# KiCad board unibone.kicad_pcb (continued)
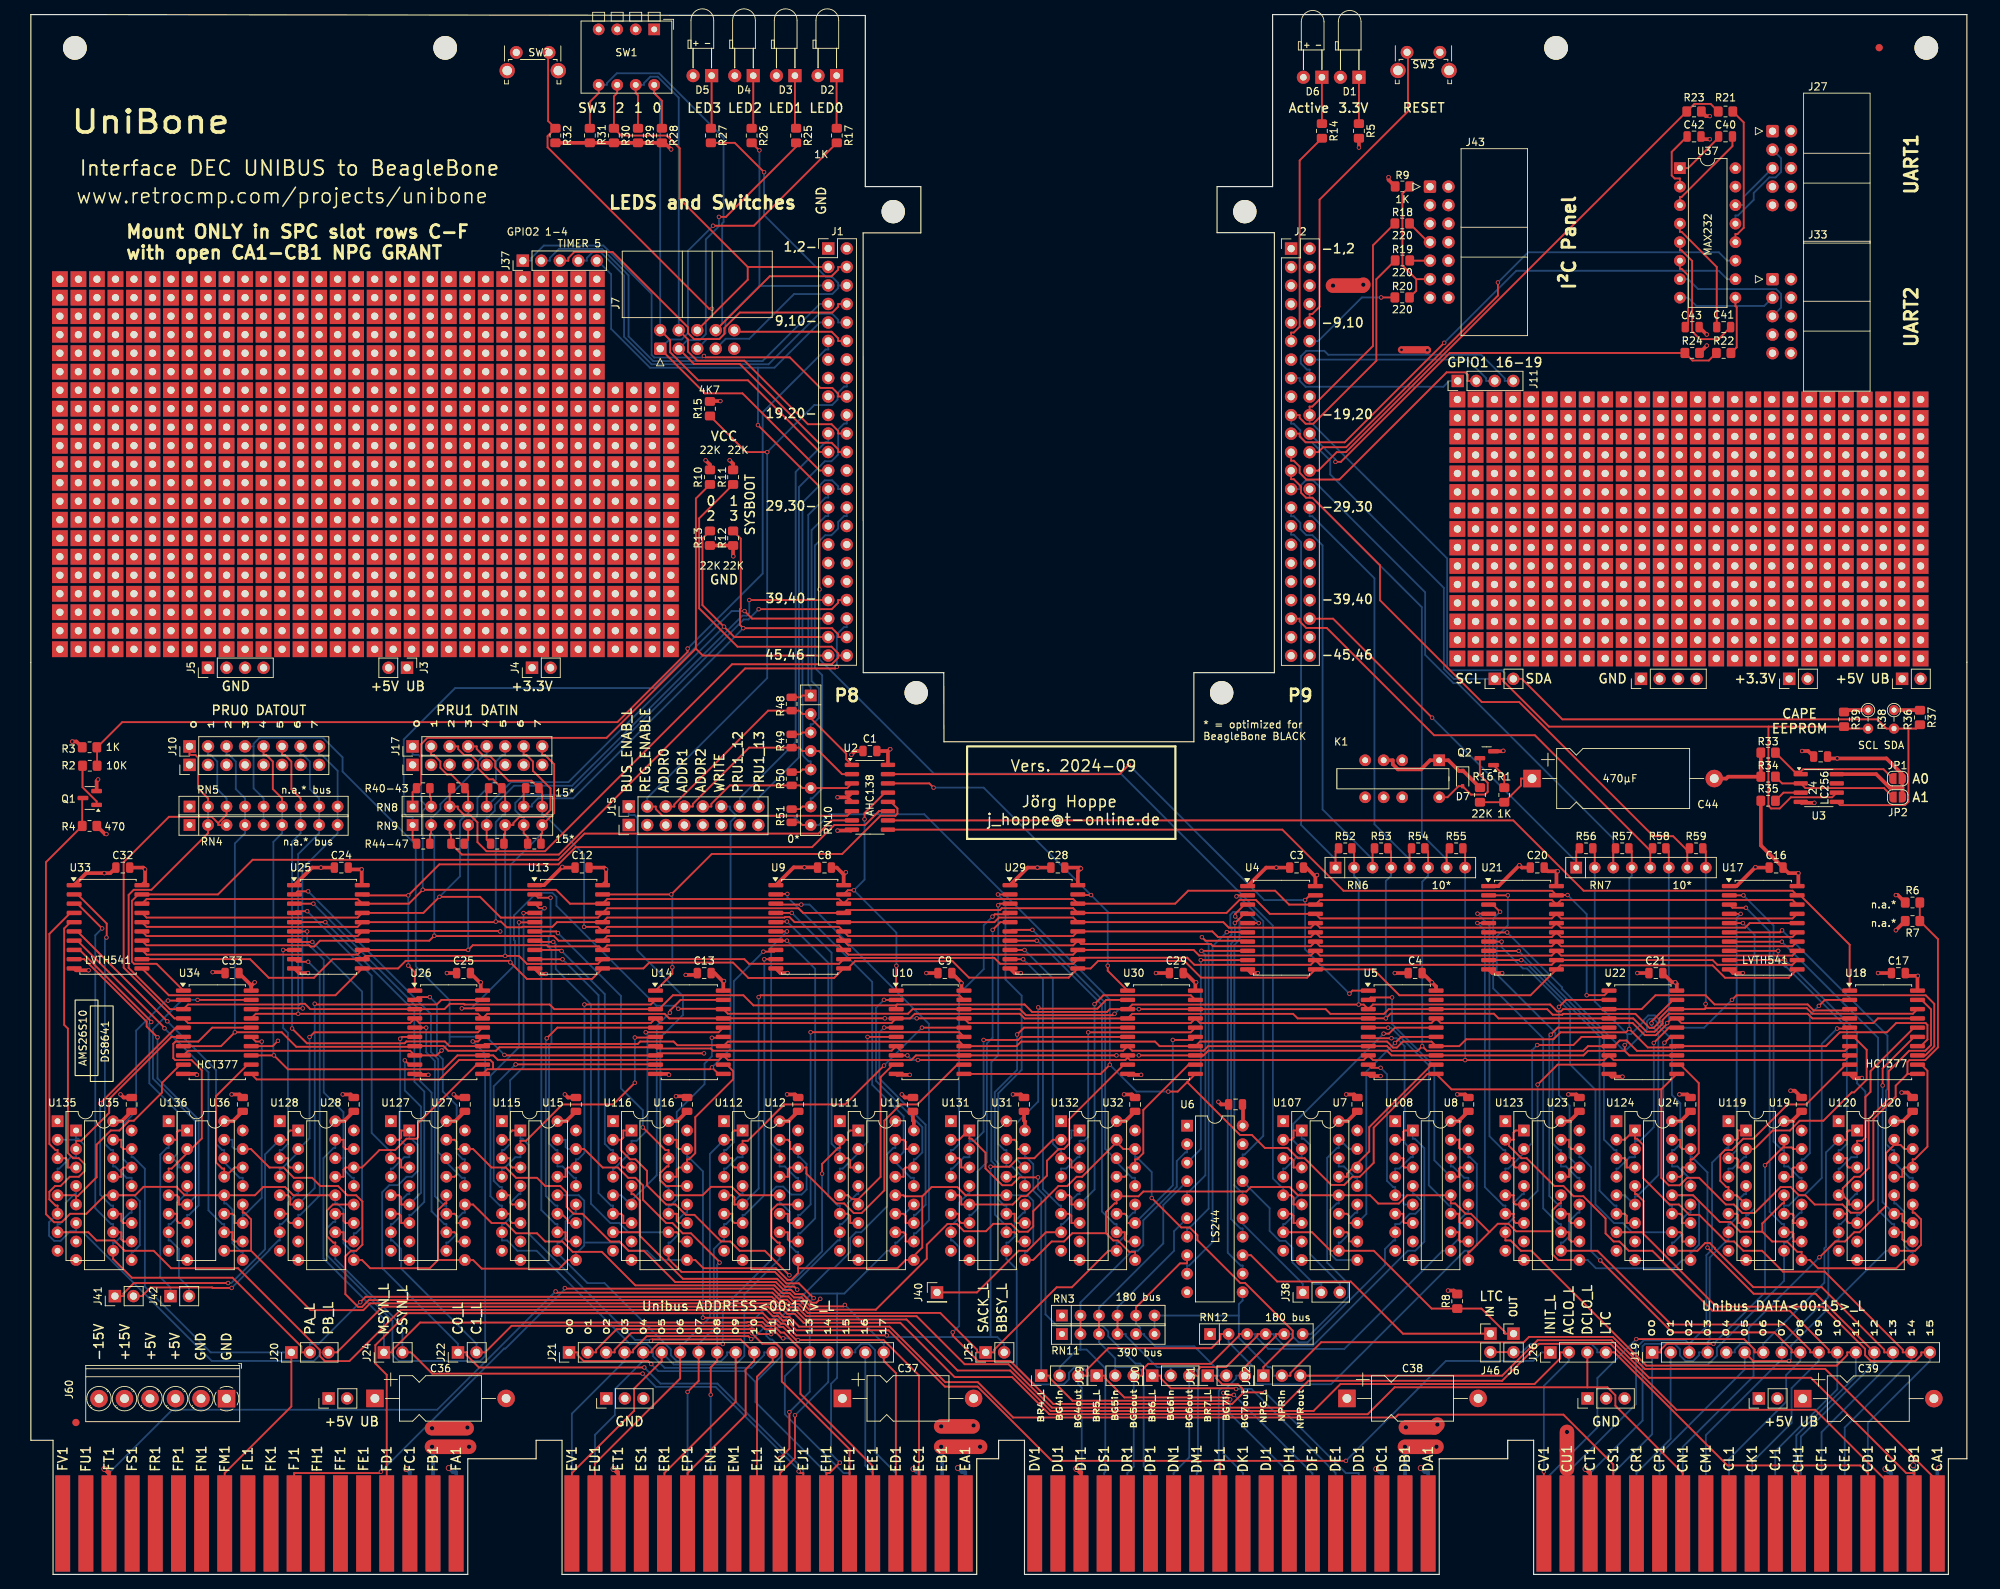
[diagram p0: board, top side]
## Routing (per net, layer and track width the routed paths; a pad name or vN(x,y) marks a point on that pad's centre or on a via; arc(x,y) is an arc through that point) (continued)
/DS8641-ARB/busdriver3/in4: length 36.5
  Top w0.25: U131.5 127.35,52.05 127.64,51.76 127.64,50.78 U31.5 134.71,50.78 135.86,51.93 136.59,51.93 139.4,54.74 139.4,56.79 141.01,58.4 141.73,58.4 142.46,59.13 142.46,62.49 149.95,69.98 U30.9
/DS8641-ARB/busdriver3/out1: length 46.6
  Top w0.25: U29.2 134.33,93.34 v1(132.68,93.34)
  Bottom w0.25: v1(132.68,93.34) 133.71,92.3 133.71,81.67 135.94,79.44 135.94,69.26 132.72,66.04 132.72,59.1 133.56,58.25 133.84,58.25 U131.14 133.84,56 134.59,56 136.15,54.44 136.38,54.44 U31.13
/DS8641-ARB/busdriver3/out2: length 51.7
  Top w0.25: U31.10 135.26,45.7 135.26,46.68 134.97,46.97 U131.10 ; v1(132.71,91.87) 132.92,92.07 U29.3
  Bottom w0.25: U131.10 133.84,48.09 133.56,48.09 132.27,49.39 132.27,55.68 132.29,55.71 132.29,56.22 131.77,56.74 131.77,70.32 132.71,71.27 v1(132.71,91.87)
/DS8641-ARB/busdriver3/out3: length 42
  Top w0.25: U131.3 127.35,57.13 127.64,56.84 127.64,55.86 U31.3 ; U29.4 134.15,90.62 132.25,90.62 v1(131.93,90.3)
  Bottom w0.25: v1(131.93,90.3) 130.73,89.1 130.73,83.1 127.35,79.71 127.35,59.1 126.5,58.25 126.22,58.25 U131.3
/DS8641-ARB/busdriver3/out4: length 48.2
  Top w0.25: v1(131.95,88.48) 133.01,89.53 U29.5 ; U31.6 127.64,48.24 127.35,48.53 127.35,49.51 U131.6
  Bottom w0.25: U31.6 128.76,49.36 129.04,49.36 129.89,50.21 129.89,55.32 131.16,56.59 131.16,72.89 131.95,73.68 v1(131.95,88.48)
/DS8641-ARB/busdriver4/bus4: length 28.1
  Top w0.25: U132.7 139.26,46.97 136.72,44.43 135.52,44.43 129.8,38.71 J40.1
  Bottom w0.25: U132.7 141.34,48.09 141.57,48.09 142.75,49.28 142.75,51.35 143.59,52.19 143.88,52.19 U32.4
/DS8641-ARB/busdriver4/in1: length 21.9
  Top w0.25: U30.12 158.83,69.98 152.62,63.76 152.62,57.83 151.78,56.98 151.5,56.98 U32.14 150.37,55.86 150.37,54.88 150.08,54.59 U132.13
/DS8641-ARB/busdriver4/in2: length 34.2
  Top w0.25: U32.11 150.37,48.24 150.37,49.22 150.08,49.51 U132.11 ; v1(156.67,73.37) 159.35,73.37 U30.15
  Bottom w0.25: v1(156.67,73.37) 156.67,53.41 U32.11
/DS8641-ARB/busdriver4/in3: length 37.3
  Top w0.25: v1(145.06,74.41) 159.12,74.41 U30.16
  Bottom w0.25: v1(145.06,74.41) 145.06,60.07 144.52,59.52 143.88,59.52 U32.2 143.88,57.27 143.59,57.27 142.03,55.71 141.34,55.71 U132.4
/DS8641-ARB/busdriver4/in4: length 46.6
  Top w0.25: U32.5 142.75,50.78 142.75,51.76 142.46,52.05 U132.5 ; v1(145.93,78.29) 147.14,79.5 159.13,79.5 U30.19
  Bottom w0.25: v1(145.93,78.29) 145.93,52.83 U32.5
/DS8641-ARB/busdriver4/out1: length 44.7
  Top w0.25: 134.34,88.26 134.55,88.48 v1(137.4,88.48)
  Bottom w0.25: 148.96,56.85 148.96,56.57 151.08,54.44 151.5,54.44 U32.13 ; 148.96,56.85 147.39,58.41 147.39,78.49 v1(137.4,88.48) ; 148.96,56.85 U132.14
/DS8641-ARB/busdriver4/out2: length 52.1
  Top w0.25: v1(138,86.99) 134.34,86.99 U29.7 ; U132.10 150.08,46.97 150.08,45.99 150.37,45.7 U32.10
  Bottom w0.25: U132.10 148.96,48.09 148.67,48.09 146.94,49.83 146.94,78.17 138.12,86.99 v1(138,86.99)
/DS8641-ARB/busdriver4/out3: length 36.5
  Top w0.25: U132.3 142.46,57.13 142.75,56.84 142.75,55.86 U32.3 ; v1(136.33,85.72) 134.35,85.72 U29.8
  Bottom w0.25: v1(136.33,85.72) 140.21,81.83 140.21,59.1 141.05,58.25 141.34,58.25 U132.3
/DS8641-ARB/busdriver4/out4: length 42.7
  Top w0.25: v1(136.14,84.45) 134.35,84.45 U29.9 ; U132.6 142.46,49.51 142.75,49.22 142.75,48.24 U32.6
  Bottom w0.25: U132.6 141.34,50.63 141.11,50.63 138.85,52.89 138.85,81.73 v1(136.14,84.45)
/DS8641-DAT07/busdriver3/in1: length 31.5
  Top w0.25: U18.2 246.12,78.87 v1(245.3,78.04) ; U19.14 241.81,55.86 241.65,55.7 241.65,54.59 U119.13
  Bottom w0.25: U19.14 242.94,56.98 243.22,56.98 244.06,57.83 244.06,76.81 v1(245.3,78.04)
/DS8641-DAT07/busdriver3/in2: length 34.6
  Top w0.25: v1(247.8,74.94) 249.41,74.94 U18.5 ; U119.11 241.65,49.51 241.81,49.35 241.81,48.24 U19.11
  Bottom w0.25: v1(247.8,74.94) 245.7,72.83 245.7,54.43 243.32,52.05 242.59,52.05 241.17,50.63 240.52,50.63 U119.11
/DS8641-DAT07/busdriver3/in3: length 33
  Top w0.25: U19.2 236.44,58.4 238.98,60.94 241.33,60.94 242.67,62.28 245.92,62.28 249.81,66.17 250.13,66.17 251.86,67.9 251.86,72.01 250.08,73.79 U18.6
  Bottom w0.25: U19.2 235.32,57.27 235.03,57.27 233.47,55.71 232.9,55.71 U119.4
/DS8641-DAT07/busdriver3/in4: length 32.3
  Top w0.25: U19.5 234.75,50.78 234.75,51.32 234.03,52.05 U119.5 232.9,53.17 232.62,53.17 231.78,54.02 231.78,57.6 232.43,58.25 233.37,58.25 234.93,59.81 236.32,59.81 241.02,64.52 243.54,64.52 249,69.98 U18.9
/DS8641-DAT07/busdriver3/out1: length 45.8
  Top w0.25: v1(234.95,93.22) U17.2
  Bottom w0.25: v1(234.95,93.22) 239.09,89.08 239.09,59.41 240.24,58.25 240.52,58.25 U119.14 240.52,56 241.09,56 242.65,54.44 242.94,54.44 U19.13
/DS8641-DAT07/busdriver3/out2: length 52.9
  Top w0.25: U19.10 241.81,45.7 241.81,46.81 241.65,46.97 U119.10 ; U17.3 233.46,91.51 v1(235.29,91.51)
  Bottom w0.25: U119.10 240.52,48.09 240.24,48.09 238.55,49.78 238.55,88.25 v1(235.29,91.51)
/DS8641-DAT07/busdriver3/out3: length 39.4
  Top w0.25: v1(234.57,90.67) 233.02,90.67 U17.4 ; U119.3 234.03,57.13 234.19,56.97 234.19,55.86 U19.3
  Bottom w0.25: v1(234.57,90.67) 234.03,90.13 234.03,58.25 U119.3
/DS8641-DAT07/busdriver3/out4: length 47.9
  Top w0.25: U19.6 234.19,48.24 234.19,49.35 234.03,49.51 U119.6 ; v1(234.88,89.41) U17.5
  Bottom w0.25: v1(234.88,89.41) 236.48,87.81 236.48,50.25 235.6,49.36 235.32,49.36 U19.6
/DS8641-DAT07/busdriver4/in1: length 19.6
  Top w0.25: U120.13 256.76,54.59 256.76,55.57 257.05,55.86 U20.14 258.18,56.98 258.46,56.98 260.2,58.72 260.2,69.14 259.35,69.98 U18.12
/DS8641-DAT07/busdriver4/in2: length 30.8
  Top w0.25: U120.11 256.76,49.51 256.76,48.53 257.05,48.24 U20.11 ; U18.15 258.38,73.79 254.05,69.45 v1(254.05,67.12)
  Bottom w0.25: U120.11 254.05,51.09 v1(254.05,67.12)
/DS8641-DAT07/busdriver4/in3: length 26.2
  Top w0.25: U20.2 250.56,59.52 251.23,59.52 251.68,59.98 251.68,65.53 252.39,66.24 252.39,69.09 258.35,75.06 U18.16
  Bottom w0.25: U20.2 250.56,57.27 249.75,57.27 248.19,55.71 248.02,55.71 U120.4
/DS8641-DAT07/busdriver4/in4: length 38
  Top w0.25: 248.58,52.05 248.58,53.01 250.16,54.59 250.94,54.59 252.13,55.78 252.13,62.51 254.89,65.27 254.89,69.08 257.69,71.88 259.9,71.88 260.69,72.68 260.69,77.57 259.39,78.87 U18.19 ; 248.58,52.05 U120.5 ; 248.58,52.05 249.43,51.2 249.43,50.78 U20.5
/DS8641-DAT07/busdriver4/out1: length 50.5
  Top w0.25: v1(240.25,88.42) 239.97,88.14 U17.6
  Bottom w0.25: v1(240.25,88.42) 254.72,73.95 254.72,66.65 254.51,66.44 254.51,59.1 255.35,58.25 255.64,58.25 U120.14 255.64,56.57 257.76,54.44 258.18,54.44 U20.13
/DS8641-DAT07/busdriver4/out2: length 57.3
  Top w0.25: U17.7 233.03,86.85 v1(240.23,86.85) ; U20.10 257.05,45.7 256.76,45.99 256.76,46.97 U120.10
  Bottom w0.25: v1(240.23,86.85) 253.43,73.66 253.43,50.02 255.35,48.09 255.64,48.09 U120.10
/DS8641-DAT07/busdriver4/out3: length 43.4
  Top w0.25: U20.3 249.43,55.86 249.14,56.15 249.14,57.13 U120.3 ; v1(239.72,85.6) U17.8
  Bottom w0.25: U120.3 248.02,58.25 248.3,58.25 249.14,59.1 249.14,75.08 240.86,83.37 240.73,83.37 239.72,84.38 v1(239.72,85.6)
/DS8641-DAT07/busdriver4/out4: length 52.6
  Top w0.25: U20.6 249.43,48.24 249.14,48.53 249.14,49.51 U120.6 ; v1(240.67,84.32) 233.03,84.32 U17.9
  Bottom w0.25: v1(240.67,84.32) 250.54,74.45 250.54,67.43 251.68,66.29 251.68,50.21 250.84,49.36 250.56,49.36 U20.6
/DS8641-DAT815/busdriver3/in1: length 34.1
  Top w0.25: U22.2 210.6,78.87 v1(209.64,77.91) ; U23.14 211.33,55.86 211.04,55.57 211.04,54.59 U123.13
  Bottom w0.25: v1(209.64,77.91) 209.64,65.78 211.11,64.32 211.11,57.21 U23.14
/DS8641-DAT815/busdriver3/in2: length 37.5
  Top w0.25: U123.11 211.04,49.51 211.04,48.53 211.33,48.24 U23.11 ; U22.5 209.48,75.06 v1(208.51,74.09)
  Bottom w0.25: v1(208.51,74.09) 208.32,73.9 208.32,51.95 209.63,50.63 209.92,50.63 U123.11
/DS8641-DAT815/busdriver3/in3: length 30.7
  Top w0.25: v1(206.67,72.67) 211.62,72.67 212.74,73.79 U22.6
  Bottom w0.25: 204.84,58.12 205.97,59.25 205.97,71.97 v1(206.67,72.67) ; 204.84,58.12 204.84,57.84 202.71,55.71 202.3,55.71 U123.4 ; 204.84,58.12 U23.2
/DS8641-DAT815/busdriver3/in4: length 31.8
  Top w0.25: U23.5 203.71,50.78 203.42,51.07 203.42,52.05 U123.5 ; U22.9 209.45,69.98 v1(206.72,67.24)
  Bottom w0.25: U23.5 206.72,52.67 v1(206.72,67.24)
/DS8641-DAT815/busdriver3/out1: length 48.9
  Top w0.25: U21.2 v1(202.63,93.22)
  Bottom w0.25: U23.13 212.46,54.44 212.17,54.44 210.61,56 209.92,56 U123.14 209.92,58.25 209.68,58.25 208.77,59.16 208.77,73.47 209.14,73.83 209.14,74.35 201.11,82.38 201.11,87.58 202.63,89.1 v1(202.63,93.22)
/DS8641-DAT815/busdriver3/out2: length 54
  Top w0.25: v1(201.56,90.96) 200.57,91.95 U21.3 ; U123.10 211.04,46.97 211.04,45.99 211.33,45.7 U23.10
  Bottom w0.25: U123.10 209.92,48.09 209.63,48.09 207.48,50.25 207.48,73.59 200.62,80.45 200.62,90.02 v1(201.56,90.96)
/DS8641-DAT815/busdriver3/out3: length 40.5
  Top w0.25: U21.4 199.97,90.7 v1(198.47,90.7) ; U23.3 203.71,55.86 203.42,56.15 203.42,57.13 U123.3
  Bottom w0.25: U123.3 202.3,58.25 202.01,58.25 200.11,60.16 200.11,89.06 v1(198.47,90.7)
/DS8641-DAT815/busdriver3/out4: length 46.8
  Top w0.25: U23.6 203.71,48.24 203.42,48.53 203.42,49.51 U123.6 ; v1(198.46,89.42) 199.99,89.42 U21.5
  Bottom w0.25: v1(198.46,89.42) 199.48,88.39 199.48,53.17 202.01,50.63 202.3,50.63 U123.6
/DS8641-DAT815/busdriver4/in1: length 19.9
  Top w0.25: U124.13 226.28,54.59 226.57,54.88 226.57,55.86 U24.14 227.7,56.98 227.98,56.98 228.82,57.83 228.82,67.45 226.3,69.98 U22.12
/DS8641-DAT815/busdriver4/in2: length 29.9
  Top w0.25: U22.15 224.91,73.79 v1(224.12,72.99) ; U24.11 226.57,48.24 226.57,49.22 226.28,49.51 U124.11
  Bottom w0.25: U124.11 225.16,50.63 224.87,50.63 223.96,51.55 223.96,72.83 v1(224.12,72.99)
/DS8641-DAT815/busdriver4/in3: length 25.5
  Top w0.25: U22.16 224.75,75.06 v1(222.65,72.96)
  Bottom w0.25: v1(222.65,72.96) 222.65,61.4 220.78,59.52 220.08,59.52 U24.2 220.08,57.27 219.33,57.27 217.77,55.71 217.54,55.71 U124.4
/DS8641-DAT815/busdriver4/in4: length 34.5
  Top w0.25: U22.19 225.32,78.87 222.34,75.89 v1(222.34,75.66)
  Bottom w0.25: 220.08,51.34 219.37,51.34 218.66,52.05 U124.5 ; 220.08,51.34 U24.5 ; 220.08,51.34 220.08,51.9 220.36,51.9 223.28,54.83 223.28,74.4 222.34,75.34 v1(222.34,75.66)
/DS8641-DAT815/busdriver4/out1: length 58.6
  Top w0.25: U21.6 200.01,88.12 v1(202.54,88.12)
  Bottom w0.25: U24.13 227.7,54.44 227.47,54.44 225.91,56 225.16,56 U124.14 225.16,58.25 225.44,58.25 226.29,59.11 226.29,64.66 225.14,65.82 225.14,73.42 223.19,75.37 223.19,75.71 222.62,76.28 222.08,76.28 221.72,75.92 221.72,74.84 218.92,72.04 218.41,72.04 210.08,80.37 210.08,80.59 v1(202.54,88.12)
/DS8641-DAT815/busdriver4/out2: length 59.2
  Top w0.25: U21.7 200,86.86 v1(201.78,86.86) ; U124.10 226.28,46.97 226.57,46.68 226.57,45.7 U24.10
  Bottom w0.25: U124.10 219.67,46.97 218.4,48.24 217.19,48.24 214.66,50.77 214.66,66.52 211.17,70 211.17,77.27 205.26,83.18 204.71,83.18 201.78,86.11 v1(201.78,86.86)
/DS8641-DAT815/busdriver4/out3: length 41.9
  Top w0.25: U21.8 200,85.59 v1(204.11,85.59) ; U24.3 218.95,55.86 218.95,56.84 218.66,57.13 U124.3
  Bottom w0.25: U124.3 217.54,58.25 217.25,58.25 215.82,59.69 215.82,73.89 v1(204.11,85.59)
/DS8641-DAT815/busdriver4/out4: length 48.7
  Top w0.25: U24.6 218.95,48.24 218.95,49.22 218.66,49.51 U124.6 ; U21.9 v1(204.47,84.33)
  Bottom w0.25: v1(204.47,84.33) 204.74,84.33 215.21,73.86 215.21,52.68 217.25,50.63 217.54,50.63 U124.6
/DS8641-SSYN+MISC/busdriver3/in1: length 31.9
  Top w0.25: v1(18.82,78.77) 20.83,78.77 U34.2 ; U35.14 12.7,55.86 12.41,55.57 12.41,54.59 U135.13
  Bottom w0.25: U35.14 12.67,57.02 12.67,61.81 14.44,63.58 14.44,74.65 18.56,78.77 v1(18.82,78.77)
/DS8641-SSYN+MISC/busdriver3/in2: length 35.4
  Top w0.25: U135.11 12.41,49.51 12.41,48.53 12.7,48.24 U35.11 ; v1(9.51,64.66) 19.91,75.06 U34.5
  Bottom w0.25: U135.11 11.29,50.63 11.01,50.63 9.51,52.13 v1(9.51,64.66)
/DS8641-SSYN+MISC/busdriver3/in3: length 28.3
  Top w0.25: U34.6 19.28,73.79 10.75,65.25 10.75,63.36 6.91,59.52 6.21,59.52 U35.2
  Bottom w0.25: U35.2 6.21,57.27 5.46,57.27 3.9,55.71 3.67,55.71 U135.4
/DS8641-SSYN+MISC/busdriver3/in4: length 29.3
  Top w0.25: U34.9 20.5,69.98 17.98,67.46 17.98,66.14 14.12,62.28 13.5,62.28 12.16,60.94 10.97,60.94 9.03,59 9.03,54.53 6.44,51.94 6.21,51.94 ; U35.5 6.21,51.94 ; U135.5 6.1,52.05 6.21,51.94
/DS8641-SSYN+MISC/busdriver3/out1: length 44.5
  Top w0.25: U33.2 6.41,93.34 10.41,89.35 10.41,87.47 v1(10.37,87.43)
  Bottom w0.25: v1(10.37,87.43) 10.16,87.22 10.16,59.1 11.01,58.25 11.29,58.25 U135.14 11.29,56 11.57,56 13.13,54.44 13.83,54.44 U35.13
/DS8641-SSYN+MISC/busdriver3/out2: length 52.2
  Top w0.25: U35.10 12.7,45.7 12.41,45.99 12.41,46.97 U135.10 ; v1(9.78,88.67) 6.38,92.07 U33.3
  Bottom w0.25: U135.10 11.29,48.09 11.01,48.09 8.84,50.26 8.84,87.73 v1(9.78,88.67)
/DS8641-SSYN+MISC/busdriver3/out3: length 39.7
  Top w0.25: U33.4 5.42,90.81 2.54,87.93 2.54,59.1 3.39,58.25 3.67,58.25 U135.3 4.79,57.13 5.08,56.84 5.08,55.86 U35.3
/DS8641-SSYN+MISC/busdriver3/out4: length 55.5
  Top w0.25: U33.5 5.44,89.53 4.57,88.67 4.57,75.44 5.08,74.93 5.08,57.85 5.8,57.13 6.58,57.13 7.38,56.33 7.38,55.38 6.59,54.59 5.34,54.59 4.07,53.32 3.32,53.32 2.54,52.54 2.54,51.48 3.39,50.63 3.67,50.63 U135.6
  Bottom w0.25: U35.6 6.21,47.11 5.42,47.11 4.09,45.79 3.2,45.79 2.5,46.49 2.5,48.35 U135.6
/DS8641-SSYN+MISC/busdriver4/bus3: length 26.3
  Top w0.25: U136.2 20.03,59.67 20.03,60.65 20.32,60.94 U36.1
  Bottom w0.25: J42.1 19.16,39.38 17.76,40.78 17.76,57.63 18.67,58.54 18.91,58.54 U136.2
/DS8641-SSYN+MISC/busdriver4/bus4: length 17.8
  Bottom w0.25: U36.4 21.45,52.19 21.21,52.19 20.03,51.01 20.03,48.94 19.19,48.09 18.91,48.09 U136.7 18.91,45.84 19.14,45.84 20.32,44.66 20.32,40.76 21.7,39.38 J42.2
/DS8641-SSYN+MISC/busdriver4/in1: length 21.1
  Top w0.25: U34.12 29.73,69.98 25.39,65.64 25.39,56.57 26.25,55.71 26.53,55.71 26.53,55.15 ; 26.53,55.15 27.23,55.15 27.94,55.86 U36.14 ; 26.53,55.15 U136.13
/DS8641-SSYN+MISC/busdriver4/in2: length 31.5
  Top w0.25: U136.11 27.65,49.51 27.94,49.22 27.94,48.24 U36.11 ; v1(31.68,73.15) 30.87,73.15 U34.15
  Bottom w0.25: U36.11 29.07,49.36 29.35,49.36 31.68,51.7 v1(31.68,73.15)
/DS8641-SSYN+MISC/busdriver4/in3: length 35.5
  Top w0.25: 21.45,57.84 23.45,59.84 23.45,69.21 22.05,70.61 19.8,70.61 19.54,70.87 19.54,72.85 19.85,73.15 22.98,73.15 24.88,75.06 U34.16 ; 21.45,57.84 U36.2 ; 21.45,57.84 19.32,55.71 18.91,55.71 U136.4
/DS8641-SSYN+MISC/busdriver4/in4: length 45.7
  Top w0.25: U36.5 20.32,50.78 20.32,51.76 20.03,52.05 U136.5 ; v1(22.87,78.87) U34.19
  Bottom w0.25: v1(22.87,78.87) 20.76,78.87 16.75,74.85 16.75,68.06 22.57,62.24 22.57,51.9 U36.5
/DS8641-SSYN+MISC/busdriver4/out1: length 45.2
  Top w0.25: 5.94,88.26 6.38,88.26 v1(18.72,75.93)
  Bottom w0.25: v1(18.72,75.93) 25.4,69.25 25.4,59.1 26.25,58.25 26.53,58.25 U136.14 26.53,56.57 28.65,54.44 29.07,54.44 U36.13
/DS8641-SSYN+MISC/busdriver4/out2: length 52.6
  Top w0.25: U33.7 6.39,87 18.33,75.05 v1(18.33,74.97) ; U136.10 27.65,46.97 27.65,45.99 27.94,45.7 U36.10
  Bottom w0.25: v1(18.33,74.97) 24.37,68.93 24.37,49.97 26.25,48.09 26.53,48.09 U136.10
/DS8641-SSYN+MISC/busdriver4/out3: length 38.6
  Top w0.25: U33.8 6.69,85.72 16.51,75.9 v1(16.51,75.84)
  Bottom w0.25: U36.3 20.32,55.86 20.32,56.28 19.47,57.13 ; U136.3 19.47,57.13 ; 19.47,57.13 20.06,57.72 20.06,63.61 16.26,67.41 16.26,75.58 v1(16.51,75.84)
/DS8641-SSYN+MISC/busdriver4/out4: length 48.6
  Top w0.25: v1(17.38,73.73) 15.89,75.22 15.89,75.88 7.31,84.45 U33.9 ; U36.6 20.32,48.24 20.03,48.53 20.03,49.51 U136.6
  Bottom w0.25: U36.6 21.45,49.36 21.73,49.36 23.02,50.66 23.02,62.42 17.38,68.07 v1(17.38,73.73)
/misc-io/EEPROM_A0: length 18.2
  Top w0.25: 255.45,109.25 254.17,110.53 243.15,110.53 242.81,110.19 ; 242.81,110.19 241.95,110.19 R33.1 ; 242.81,110.19 U3.1
/misc-io/EEPROM_A1: length 17.3
  Top w0.25: JP2.1 254.24,107.94 243.46,107.94 U3.2 240.26,108.59 R34.1
/SELECT0_L: length 85.3
  Top w0.25: v1(150.64,111.13) 149.36,109.85 U2.15 ; U5.1 181.32,80.14 v1(180.9,79.72) ; v1(174.82,92.58) 175.46,93.22 U4.19
  Bottom w0.25: v1(180.9,79.72) 174.82,85.8 v1(174.82,92.58) 169.2,92.58 v1(150.64,111.13)
/SELECT1_L: length 51.3
  Top w0.25: U2.14 123.26,108.59 v1(123.85,108) ; U30.1 147.74,82.86 v1(147.74,83.56) ; v1(145.46,93.26) 143.73,93.26 U29.19
  Bottom w0.25: v1(123.85,108) 130.71,108 v1(145.46,93.26) 147.74,90.97 v1(147.74,83.56)
/SELECT2_L: length 33.4
  Top w0.25: v1(118.75,83.55) 118.72,83.52 U10.1 ; v1(114.38,103.68) 114.38,104.51 117.18,107.31 U2.13 ; U9.19 112.08,93.92 v1(112.91,93.92)
  Bottom w0.25: v1(118.75,83.55) 118.75,88.08 v1(112.91,93.92) 114.38,95.38 v1(114.38,103.68)
/SELECT3_L: length 61.7
  Top w0.25: U13.19 v1(87.86,93.34) 93.41,98.9 111.31,98.9 116.55,104.14 118.61,104.14 118.89,104.42 118.89,105.15 117.99,106.04 117.59,106.04 ; v1(88.01,83.34) 88.01,82.45 U14.1
  Bottom w0.25: v1(87.86,93.34) 88.01,93.2 v1(88.01,83.34)
/SELECT4_L: length 90.4
  Top w0.25: U2.11 116.36,104.78 114.45,102.87 110.22,102.87 107.19,99.83 74.74,99.83 72.37,97.47 56.04,97.47 v1(51.78,93.21) 45.6,93.21 U25.19 ; U26.1 52.68,82.68 v1(51.78,83.57)
  Bottom w0.25: v1(51.78,93.21) v1(51.78,83.57)
/SELECT5_L: length 145.3
  Top w0.25: U18.1 249.53,86.44 242.75,93.22 U17.19 241.68,93.85 213.03,93.85 203.37,103.5 U2.10
/SELECT6_L: length 115.2
  Top w0.25: U22.1 215.88,79.51 v1(213.45,79.51) ; 209.3,93.26 U21.19 ; 209.3,93.26 v1(210.82,93.26) ; 209.3,93.26 208.71,93.84 180.09,93.84 171.7,102.23 U2.9
  Bottom w0.25: v1(213.45,79.51) 213.45,90.63 v1(210.82,93.26)
/SELECT7_L: length 120.4
  Top w0.25: U34.1 17.24,83.82 14.17,83.82 13.87,84.12 13.87,92.48 14.74,93.34 U33.19 25.67,93.34 30.43,98.1 72.37,98.1 75.96,101.69 108.04,101.69 109.85,103.5 U2.7
/TTL_IN_OUT/BUS_IN_DAT6: length 13.6
  Bottom w0.25: U6.15 166.25,48.14 174.5,39.89 J38.1
/TTL_IN_OUT/BUS_IN_DAT7: length 20.8
  Bottom w0.25: U6.17 169.95,50.28 169.95,47.16 171.32,45.79 172.12,45.79 173.09,44.83 173.09,42.81 176.01,39.89 177.04,39.89 J38.2
/TTL_IN_OUT/busdriver1/in1: length 34.9
  Top w0.25: v1(186.75,79.2) 183.82,79.2 U5.2 ; U108.13 195.93,54.59 195.93,55.7 196.09,55.86 U8.14
  Bottom w0.25: U108.13 192.54,56.85 192.54,69.76 186.75,75.56 v1(186.75,79.2)
/TTL_IN_OUT/busdriver1/in2: length 35.8
  Top w0.25: v1(186.2,75.05) 183.5,75.05 U5.5 ; U108.11 195.93,49.51 195.93,48.4 196.09,48.24 U8.11
  Bottom w0.25: v1(186.2,75.05) 186.62,75.05 191.79,69.88 191.79,53.42 194.57,50.63 194.8,50.63 U108.11
/TTL_IN_OUT/busdriver1/in3: length 25.7
  Top w0.25: U5.6 183.67,73.61 v1(186.66,73.61)
  Bottom w0.25: 189.6,58.12 188.47,59.24 188.47,72.51 187.38,73.61 v1(186.66,73.61) ; 189.6,58.12 189.6,57.27 189.31,57.27 187.75,55.71 187.18,55.71 U108.4 ; 189.6,58.12 U8.2
/TTL_IN_OUT/busdriver1/in4: length 23.9
  Top w0.25: U5.9 183.93,69.54 v1(185.18,69.54)
  Bottom w0.25: v1(185.18,69.54) 186.06,68.66 186.06,54.02 186.9,53.17 187.18,53.17 U108.5 188.31,52.05 188.31,50.94 188.47,50.78 U8.5
/TTL_IN_OUT/busdriver1/out1: length 5.3
  Bottom w0.25: U108.14 194.8,56 195.08,56 196.64,54.44 197.22,54.44 U8.13
/TTL_IN_OUT/busdriver1/out2: length 3.6
  Top w0.25: U108.10 195.93,46.97 195.93,45.86 196.09,45.7 U8.10
/TTL_IN_OUT/busdriver1/out3: length 3.6
  Top w0.25: U108.3 188.31,57.13 188.31,56.02 188.47,55.86 U8.3
/TTL_IN_OUT/busdriver1/out4: length 3.6
  Top w0.25: U8.6 188.47,48.24 188.31,48.4 188.31,49.51 U108.6
/TTL_IN_OUT/busdriver2/bus3: length 28.2
  Top w0.25: U7.1 173.23,60.94 173.23,59.96 172.94,59.67 U107.2
  Bottom w0.25: U7.1 174.36,59.81 174.64,59.81 175.48,58.97 175.48,43.99 179.58,39.89 J38.3
/TTL_IN_OUT/busdriver2/in1: length 22.5
  Top w0.25: U7.14 181.41,55.86 ; 181.41,55.86 180.56,55.01 180.56,54.59 U107.13 ; 181.41,55.86 183.62,58.06 183.62,61.4 192.2,69.98 U5.12
/TTL_IN_OUT/busdriver2/in2: length 36.5
  Top w0.25: v1(187.15,72.95) 187.99,73.79 U5.15 ; U7.11 180.85,48.24 180.85,49.22 180.56,49.51 U107.11
  Bottom w0.25: v1(187.15,72.95) 183.22,69.02 183.22,49.48 U7.11
/TTL_IN_OUT/busdriver2/in3: length 34.4
  Top w0.25: U5.16 187.14,75.06 186.31,74.23 v1(185.59,74.23)
  Bottom w0.25: U107.4 171.82,55.71 172.1,55.71 173.66,57.27 174.36,57.27 U7.2 173.21,59.55 173.21,61.85 v1(185.59,74.23)
/TTL_IN_OUT/busdriver2/out1: length 5.4
  Bottom w0.25: U107.14 179.44,56 180.13,56 181.69,54.44 181.98,54.44 U7.13
/TTL_IN_OUT/busdriver2/out2: length 3.6
  Top w0.25: U7.10 180.85,45.7 180.85,46.68 180.56,46.97 U107.10
/TTL_IN_OUT/busdriver2/out3: length 3.6
  Top w0.25: U7.3 173.23,55.86 173.23,56.84 172.94,57.13 U107.3
/TTL_IN_OUT/busdriver2/out4: length 3.6
  Top w0.25: U7.6 173.23,48.24 173.23,49.22 172.94,49.51 U107.6
BG4_IN_H: length 59.9
  Top w0.25: RN3.2 RN11.2
  Bottom w0.25: J16.DS2 147.25,13.92 147.4,14.07 147.4,28.3 144.84,30.86 144,30.86 ; 144,30.86 RN11.2 ; 144,30.86 143.55,30.86 141.15,28.46 J28.2 ; RN3.2 144,37.33 151.1,44.43 151.86,44.43 152.62,45.19 152.62,48.61 157.21,53.2 157.21,56.75 158.39,57.93 158.63,57.93 U6.2
BG4_OUT_H: length 102.6
  Top w0.25: RN12.2 163.2,33 163.2,32.29 161.97,31.05 147.83,31.05 144.86,28.09 144.86,27.28 J28.3 ; U108.15 195.93,59.67 195.93,58.56 196.09,58.4 U8.15
  Bottom w0.25: J16.DT2 144.07,13.92 144.17,14.02 144.17,25.62 143.69,26.11 J28.3 ; RN12.2 164.32,31.87 167.86,28.34 167.86,26.35 168.1,26.11 178.39,26.11 196.71,44.43 197.63,44.43 198.38,45.18 198.38,56.34 197.45,57.27 197.22,57.27 U8.15
BG5_IN_H: length 52.1
  Top w0.25: RN11.3 RN3.3
  Bottom w0.25: J29.2 148.77,28.46 ; 148.77,28.46 151.87,28.46 152.67,27.66 152.67,14.85 153.6,13.92 153.6,12.83 ; 148.77,28.46 148.77,29.65 146.54,31.87 RN11.3 ; U6.4 155.36,50.71 155.36,45.43 146.59,36.66 146.54,36.66 RN3.3
BG5_OUT_H: length 75.6
  Top w0.25: RN12.3 165.74,33 165.74,32.77 161.88,28.91 153.3,28.91 152.48,28.09 152.48,27.28 J29.3
  Bottom w0.25: 194.24,44.43 193.68,44.43 180.19,30.95 169.76,30.95 167.99,32.72 167.99,33 RN12.3 ; 194.24,44.43 U108.9 ; 194.24,44.43 195.93,46.12 195.93,48.6 196.98,49.65 197.22,49.65 U8.12 ; J16.DR2 150.42,13.92 151.31,14.8 J29.3
BG6_IN_H: length 49.4
  Top w0.25: RN3.4 RN11.4
  Bottom w0.25: J16.DM2 159.95,13.92 160.12,14.09 160.12,27.78 159.44,28.46 156.39,28.46 ; RN11.4 150.21,33 150.21,32.77 154.51,28.46 156.39,28.46 ; J30.2 156.39,28.46 ; U6.6 156.83,47.11 156.83,44.42 149.08,36.66 RN3.4
BG6_OUT_H: length 76.9
  Top w0.25: RN12.4 168.28,33 168.28,32.77 163.97,28.46 160.47,28.46 160.1,28.09 160.1,27.28 J30.3 ; U108.2 188.31,59.67 188.31,60.78 188.47,60.94 U8.1
  Bottom w0.25: J16.DN2 156.77,13.92 158.93,16.07 J30.3 ; RN12.4 170.53,33 170.53,32.79 171.9,31.41 175.9,31.41 188.91,44.43 189.92,44.43 191.18,45.69 191.18,58.51 189.88,59.81 189.6,59.81 U8.1
BG7_IN_H: length 45.6
  Top w0.25: U6.8 158.63,42.69 157.65,42.69 151.62,36.66 RN3.5
  In1.Cu w0.25: J31.2 164.01,26.11 163.61,25.71 v1(163.61,24.92)
  Bottom w0.25: J16.DK2 166.3,13.92 163.61,16.61 v1(163.61,24.92) ; RN11.5 152.18,33 ; 152.18,33 152.18,33.85 151.62,34.41 RN3.5 ; 152.18,33 152.75,33 152.75,32.81 154.23,31.33 159.6,31.33 162.83,28.09 162.83,27.28 J31.2
BG7_OUT_H: length 59
  Top w0.25: J31.3 166.55,28.46 170.82,32.73 170.82,33 RN12.5
  Bottom w0.25: U8.4 189.6,52.19 189.83,52.19 190.73,51.3 190.73,50.28 189.95,49.51 189.18,49.51 187.76,48.09 187.18,48.09 U108.7 187.18,45.84 186.95,45.84 185.77,44.66 185.77,42.48 175.16,31.86 173.92,31.86 173.07,32.72 173.07,33 RN12.5 ; J31.3 165.37,27.28 165.37,26.92 164,25.55 163.34,25.55 162.97,25.18 162.97,14.07 163.12,13.92 J16.DL2
BUS_ENABLE: length 139.9
  Top w0.25: 9.09,113.54 R2.2 ; 9.09,113.54 12.54,116.99 80.46,116.99 90.1,126.63 v1(90.1,127.09) ; 9.09,113.54 R3.2
  Bottom w0.25: v1(90.1,127.09) 100.4,137.39 100.4,159.51 109.03,168.14 109.4,168.14 J1.11
BUS_ENABLE_L: length 569
  Top w0.25: 200.1,46.99 197.58,49.51 196.83,49.51 195.41,50.92 194.8,50.92 U108.12 188.83,52.05 187.69,50.91 184.85,50.91 183.72,52.05 U107.12 173.83,52.05 172.69,53.18 167.38,53.18 166.76,52.57 152.62,52.57 151.96,51.9 148.96,51.9 ; 200.1,46.99 201.25,48.14 202.72,48.14 203.75,47.1 208.76,47.1 ; 200.1,46.99 197.4,44.28 197.22,44.28 U8.9 ; 147.5,46.84 148.49,45.84 149.13,45.84 150.69,44.28 151.5,44.28 U32.9 ; 147.5,46.84 147.5,49.75 148.67,50.92 148.96,50.92 148.96,51.9 ; 147.5,46.84 142.88,46.84 141.74,45.7 140.05,45.7 137.51,43.16 U31.9 ; U127.12 57.01,50.92 56.77,50.92 55.86,50.01 55.86,43.16 ; U116.12 92.16,52.05 93.32,53.21 96.17,53.21 97.32,52.05 U112.12 ; U20.9 257.05,43.16 255.92,42.03 245.19,42.03 244.06,43.16 U19.9 242.94,44.28 242.35,44.28 240.94,45.7 238.89,45.7 237.55,47.04 ; 122.3,51.9 123.57,53.17 127.11,53.17 128.23,52.05 U131.12 ; 122.3,51.9 122.3,44.88 120.58,43.16 ; 122.3,51.9 119.87,51.9 119.73,52.05 U111.12 ; U23.9 209.54,43.16 208.76,43.94 208.76,47.1 ; 208.76,47.1 208.76,50 209.68,50.92 209.92,50.92 U123.12 ; 55.86,43.16 U27.9 60.67,43.16 61.86,41.97 72.48,41.97 73.66,43.16 U15.9 ; 55.86,43.16 54.74,42.03 46.56,42.03 45.43,43.16 U28.9 ; 120.58,43.16 U11.9 ; 120.58,43.16 120.02,43.16 118.89,42.03 105.27,42.03 ; 237.55,47.04 237.55,48.18 240.29,50.92 240.52,50.92 U119.12 ; 237.55,47.04 234.51,47.04 233.17,48.38 231.71,48.38 228.05,52.05 U124.12 ; 148.96,51.9 U132.12 ; 105.27,42.03 105.27,41.38 104.33,40.44 103.81,40.44 102.21,42.03 92.28,42.03 91.15,43.16 U16.9 ; 105.27,42.03 U12.9 ; U128.12 36.02,52.05 34.89,53.18 31.87,53.18 30.75,52.05 U136.12 21.12,52.05 19.97,53.21 15.48,53.21 14.32,52.05 U135.12 10.16,52.05 7.62,49.51 5.39,49.51 4.22,48.34 3.19,48.34 2.07,49.46 2.07,97.76 R4.2 7.05,106.49 Q1.3